# Altium PCB CPU-board-multi-rev.0.1.PcbDoc (part 3 of 3) (continued)
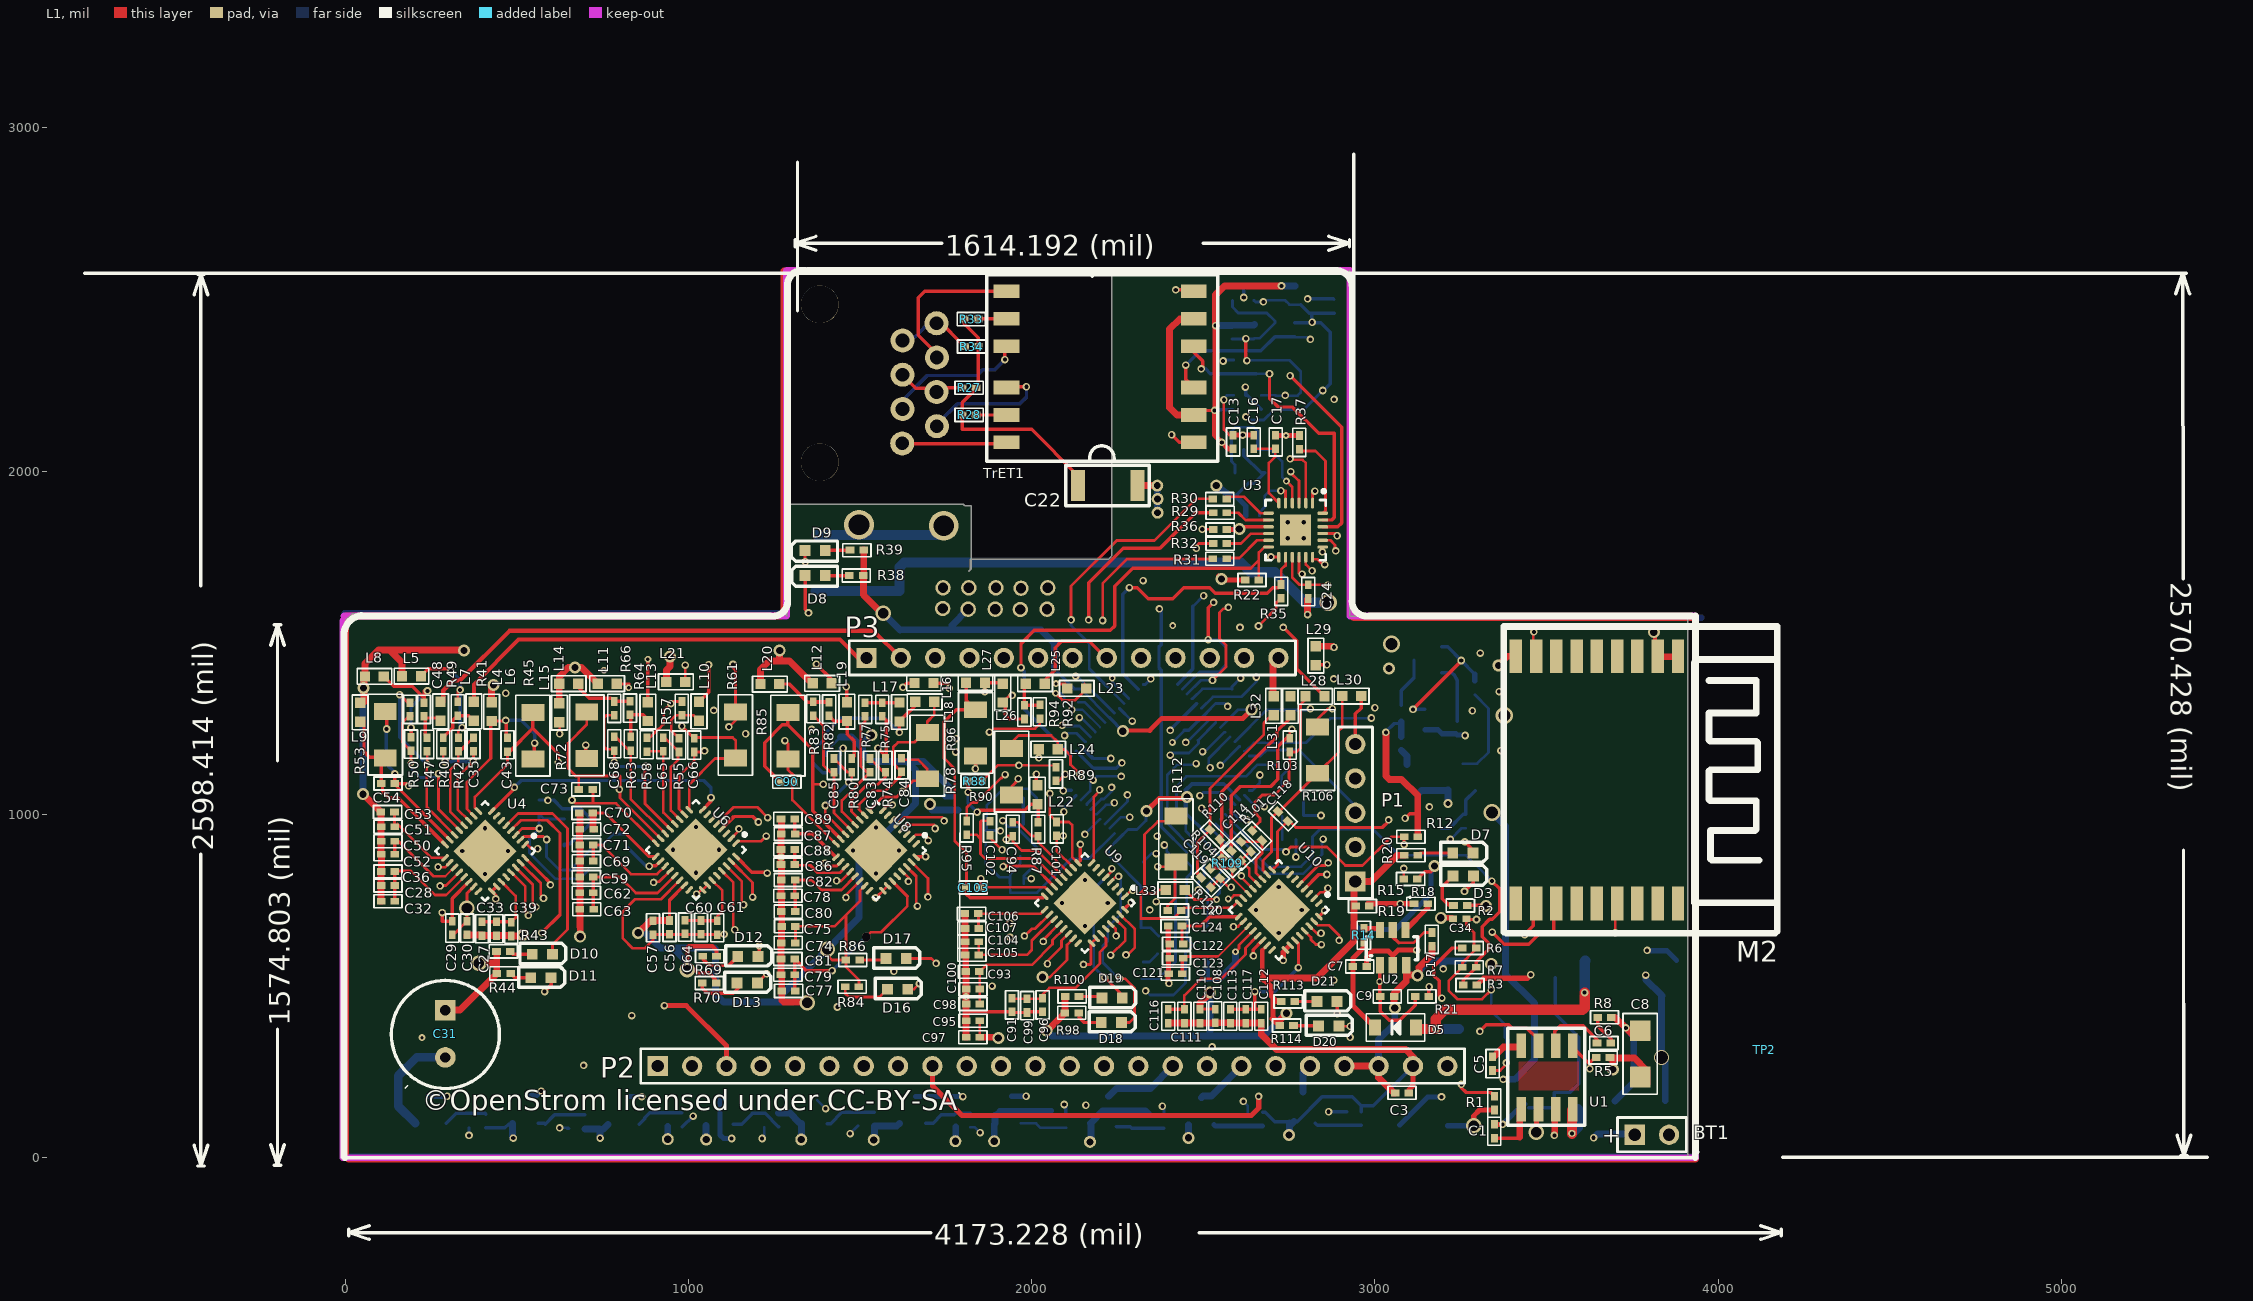
[diagram p0: L1 view]
## Nets (pads, with @x,y where several pads share a name; then routed paths per layer and width w, separated by ;. In a path a pad name is that pad's centre, name@x,y a point inside that pad or via, vN(x,y) a via of type N, cw(c..) or ccw(c..) an arc to the next point about the centre after c; other vN are vias at no path point) (continued)
  L3 w10: v1@2347,1393 2372,1418 2372,1556 2478,1662 2478,1735 2480,1737 v1(2480,1775)
  L5 w8: U5.64@2324.89,1378.9 2330.9,1378.9 v1(2347,1395)
NetR33_2: R33.2 TrET1.8 | length 83.4
  L1 w10: R33.2@1844,2443 1845,2444 TrET1.8@1927,2444
NetR35_2: R35.2 U3.14 U5.63 | length 893.2
  L1 w8: R35.2@2718,1661 R35.2@2727,1670 2727,1713 2739,1725 2740,1725 U3.14@2740,1749.2
  L1 w10: v1(2285,1661) 2308,1661 2340,1629 2411,1629 2443,1661 2519.15,1661 2535.15,1645 2687,1645 2703,1661 R35.2@2718,1661
  L5 w10: v1(2285,1661) 2266,1642 2266,1409.95 U5.63@2310.97,1364.98
NetR37_2: R37.2 U3.24 | length 238.9
  L1 w8: R37.2@2785,2059 2827,2059 2856,2030 2856,1885.52 U3.24@2847.95,1877.47
NetR48_1: R48.1 U5.59 | length 3318.7
  L3 w8: v1(361,65) 361,99 ; 472,210 476,210
  L3 w10: 361,99 472,210 ; v1(468,1353) 426,1311 426,1243.2 448.2,1221 448.2,840.8 476,813 476,210
  L4 w8: 835.44,1346.2 1088.8,1346.2 ; 2174,1334 2231,1334 v1(2293,1272)
  L4 w10: v1(468,1353) 474.8,1346.2 835.44,1346.2 ; 1088.8,1346.2 1111.8,1323.2 2090.2,1323.2 2101,1334 2174,1334
  L5 w8: v1(361,65) R48.1@361,87 ; U5.59@2255.29,1309.3 2292.6,1272 v1(2293,1272)
NetR54_1: R54.1 U5.58 | length 2985.8
  L3 w10: v1(625,87) 655,87 754,186 v4(754,1420)
  L4 w8: 771,1401 773,1401 2041,1401 2050,1410
  L4 w10: v4(754,1420) 773,1401 ; 2050,1410 2128,1410 v1@2130,1408
  L5 w8: v1(625,87) R54.1@650,87 ; R54.1@646.8,85 R54.1@652,85 ; v1@2130,1408 2130,1409 2134,1405 2134,1402 2240.61,1295.39 U5.58@2241.37,1295.39
  other v1: 2128,1403
NetR60_1: R60.1 U5.55 | length 2483.6
  L3 w10: v1(1014,121.4) 1014,163 963,214 963,336 996,369 996,447 943,500 943,588 996,641 996,1168 1011,1183 1011,1240 v1(1074,1303)
  L4 w10: v1(1074,1303) 1075.2,1301.8 v1@2115.89,1301.8
  L5 w6: v1(2117,1305) 2148.24,1305 U5.55@2199.61,1253.63
  L5 w10: R60.1@982.6,90 v1(1014,121.4) ; v1@2115.89,1301.8 v1@2116.09,1302
NetR65_1: R65.1 U5.54 | length 2384.7
  L3 w10: v1(1167,1235) 1176,1226 1176,1097 1053,974 1053,852 1126,779 1126,716 1163.68,678.32 1163.68,614.5 1163,613.81 1163,108 v1(1215,56)
  L4 w8: 1214,1282 2078.76,1282 2079.56,1282.8 2098.44,1282.8 2099.24,1282 v1(2139,1282)
  L4 w10: v1(1167,1235) 1214,1282
  L5 w8: v1@1221,62 R65.1@1221,89 ; v1(2139,1282) 2143.4,1282 U5.54@2185.7,1239.71
NetR67_2: R67.2 U5.42 | length 804.7
  L4 w8: v1(2155,942) 2182,942 2299,825 2532,825 2576,869 2720,869 2729,860 2754,860 v1(2770,876)
  L5 w8: v1@2156,942.76 U5.42@2199.61,986.37 ; v1(2770,876) R67.2@2770,927
NetR68_2: R68.2 U5.28 | length 508.7
  L5 w8: U5.28@2480.79,916.78 2480.79,919.58 2449,951.36 2449,973 2422,1000 2422,1082 2451,1111 2624,1111 2658,1145 R68.2@2715,1145
NetR73_1: R73.1 U5.53 | length 2234.4
  L3 w8: 1349,1237 1360,1248 v1(1359,1248)
  L3 w10: 1349,1237 1349,521 1323,521 1263,461 1263,215 1408,70 v1(1471,70)
  L4 w8: v1(1359,1248) 1375,1264 2047,1264 2058,1253 2084,1253 2089,1258 v1(2089,1260)
  L5 w8: v1(1471,70) 1494,93 R73.1@1495,93 ; v1(2089,1260) 2089,1258 2139.56,1258 U5.53@2171.78,1225.79
NetR79_1: R79.1 U5.52 | length 1689.4
  L3 w10: v1(1781,1221) 1758,1221 1741,1204 1741,1159 1775,1125 1775,1011 1792,994 1792,621 1760,589 1760,163 v1(1850,73)
  L4 w8: v1(1781,1221) 1790,1212 2076.47,1212 2096,1231.53 v1(2096,1230)
  L5 w8: R79.1@1821,89 1834,89 v1(1850,73) ; v1(2096,1230) 2096,1231.53 2101,1236.53 2130.39,1236.53 2155.06,1211.87 U5.52@2157.86,1211.87
NetR91_1: R91.1 U5.48 | length 1057.7
  L3 w10: v1(2092,1069) 2087,1069 2086.11,1069.89 2086.11,1045.11 2062.39,1021.39 2062.39,623 2079,606.39 2079,520 2119,480 2119,366 2062.39,309.39 2062.39,279.47 2063,278.86 2063,188 2095,156 v1(2095,155)
  L5 w10: v1(2092,1069) 2087,1069 2086.11,1069.89 U5.48@2116.1,1069.89 ; v1(2095,155) 2100,150 R91.1@2100,127
NetR97_1: R97.1 U5.47 | length 1300.5
  L3 w8: v1(2094,1008) 2092,1008 2090,1006 2165,1006 2184,987 2184,715 2188,711 2188,659 2121,592 2121,532 2158,495 v1(2158,153)
  L4 w8: v1(2158,153) 2378,153 v1(2381,150)
  L5 w8: v1(2094,1008) 2092,1008 2098.02,1014.02 2098.02,1023.98 U5.47@2130.02,1055.97 ; v1(2381,150) 2386,145 R97.1@2386,127
NetR102_1: R102.1 U5.21 | length 1012.7
  L3 w10: v1(2617,164) 2580,164 2561,183 2561,308 2622,369 2622,729 2642,749 2642,858 2622,878 2622,983 2626,987 v1(2626,984)
  L5 w8: U5.21@2578.22,1014.21 2609.22,983.22 2625.22,983.22 v1(2626,984) ; v1(2617,164) 2630,151 R102.1@2630,132
NetR107_1: R107.1 U5.18 | length 1134.7
  L3 w8: v1@2677,1023 v1(2678,1023)
  L3 w10: v1@2677,1023 2665,1011 2665,764 2676.2,752.8 2676.2,739.04 2684,731.24 2684,363 2762,285 2762,182 2810,134 v1(2865,134)
  L5 w8: U5.18@2619.98,1055.97 2651,1024.95 2676.05,1024.95 v1(2678,1023)
  L5 w10: v1(2865,134) R107.1@2918,134
NetU3_13: U3.13 U5.30 | length 1206.6
  L1 w8: v1(2697,1750) U3.13@2719.52,1750
  L4 w8: v1(2372,1599) 2374,1601 2374,1682 2389.2,1697.2 2421.96,1697.2 2474.76,1750 v1(2697,1750)
  L5 w8: 2377.67,964.21 U5.30@2452.95,888.94
  L5 w10: v1(2372,1599) 2377.67,1593.33 2377.67,1494.67 2371,1488 2371,1426.67 2377.67,1420 2377.67,964.21
NetU3_16: U3.16 U5.1 | length 697
  L1 w8: v1@2779,1702 U3.16@2779,1740.57 ; U3.16@2779.05,1749.52 2779.05,1708.95 v1(2788,1700)
  L4 w8: v1(2501,1637) 2519,1655 2747,1655 v1@2791,1699
  L5 w8: 2470,1606 v1(2501,1637)
  L5 w10: U5.1@2425.11,1378.9 2470,1423.79 2470,1606
NetU3_17: U3.17 U5.2 | length 777.6
  L1 w8: U3.17@2798.74,1749.52 2798.74,1728.26 v1(2817,1710)
  L1 w10: v1(2514,1509) 2514,1602 v1(2530,1618)
  L4 w8: v1(2530,1618) 2530,1622 2537,1629 2766,1629 2817,1680 v1(2817,1710)
  L5 w8: U5.2@2439.03,1364.98 2488.72,1414.67 2536.12,1414.67 2536.45,1415 2546,1415 2567,1436 2567,1486 2544,1509 v1(2514,1509)
NetU3_18: U3.18 U5.3 | length 757.3
  L1 w8: v1(2527,1391) 2566,1430 2566,1494 2547.21,1512.79 2547.21,1588.21 2558,1599 2569,1599 v1(2573,1603) ; U3.18@2818.42,1743.58 2832.42,1743.58 2851,1725 v1(2854,1728)
  L4 w8: v1(2573,1603) 2791,1603 2836,1648 2836,1691 2854,1709 v1(2854,1728)
  L5 w8: U5.3@2452.95,1351.06 2492.89,1391 v1(2527,1391)
NetU4_1: U4.1 U6.2 | length 719.9
  L1 w8: U4.1@524.92,912.49 530.51,912.49 543,900 v1(561,900) ; U6.2@1125,930.41 1148,953.4 1148,958 v1(1147,958)
  L4 w8: v1(561,900) 768,900 795.79,872.21 857.21,872.21 919,934 1073,934 1106,967 1138,967 v1(1147,958)
NetU4_8: U4.8 U5.45 U6.8 U8.8 U9.8 | length 2268.4
  L1 w8: U8.8@1566.49,1011.92 1581.56,1027 ; U9.8@2174.49,858.92 2181,865.44 2181,1051 2198,1068 v1(2198,1072)
  L1 w10: U4.8@427.49,1009.92 493,1075.44 v1(493,1079) ; U6.8@1041.49,1013.92 1066,1038.44 v1(1066,1049) ; v1@1584,1027 1593,1027 v1(1594,1028)
  L4 w8: v1@1587,1027 1595,1035 1651,1035 1675.3,1059.3 1766.7,1059.3 1791,1035 2165,1035 2197,1067 2197,1071 v1(2198,1072)
  L4 w10: v1(1066,1049) 1192.25,1049 1203.25,1060 1433.75,1060 1444.75,1049 1571,1049 1587,1033 v1@1587,1027
  L5 w8: U5.45@2160.66,1028.13 U5.45@2161.92,1029.39 ; U5.45@2160.66,1030.66 2198,1068 v1(2198,1072)
  L5 w10: v1(493,1079) 513,1099 1045,1099 1066,1078 v1(1066,1049)
NetU4_29: U4.29 U5.8 | length 2445.1
  L1 w8: U4.29@483.16,831.75 525,789.92 525,715 v1(534,706)
  L4 w8: v1(534,706) 548,692 1160,692 1182,670 1924,670 v1(1937,683)
  L2 w8: v1(1937,683) 1970.5,716.5 1970.5,720.5 2137,887 2165,887 2229,951 2229,989 2264.5,1024.5 2292.5,1024.5 2431,1163 2431,1192 v1(2449,1210)
  L5 w8: v1(2449,1210) 2451.08,1210 U5.8@2522.55,1281.47
NetU4_30: U4.30 U5.4 U6.30 U8.30 U9.30 U10.30 | length 4316.8
  L1 w8: U4.30@497.08,845.67 546.8,795.96 546.8,740.2 v14(557,730) ; U6.30@1111.08,849.67 1155.76,805 v1@1155.76,737.93 ; U8.30@1636.08,847.67 1663.88,819.88 1663.88,738.12 v1@1664,738 ; v1(2230,590) 2273,633 2273,665.76 U9.30@2244.08,694.67 ; U10.30@2809.08,674.92 v1@2834,650
  L3 w8: v1@2611.5,1392.5 2693,1311 2693,1070 2722,1041 2722,931 2693,902 2693,746 2789,650 v1@2834,650
  L4 w8: v14(557,730) 571,716 1136,716 1156,736 1191,701 1623,701 1654,732 1967,732 2109,590 v1(2230,590) 2230,569 2254,545 2306,545 2398.7,452.3 2791.3,452.3 2833,494 2857,494 v1(2880,517)
  L2 w8: v1@2834,650 2810,625 2810,574 2861,523 2874,523 v1(2880,517)
  L5 w8: U5.4@2466.87,1337.14 2469.14,1337.14 2498,1366 2584,1366 ; 2584,1365 2584,1366 ; v1(2609,1397) 2584,1372 2584,1366
  other v1: 2843,654 1667,733 1161,737
NetU4_31: U4.31 U5.6 U6.31 U8.31 U9.31 U10.31 | length 4425
  L1 w8: U4.31@511,859.59 511,859 570,800 570,764 v1(578,756) ; U6.31@1125,863.59 1187,801.6 v1(1187,759) ; U8.31@1650,861.59 1697.8,813.8 1697.8,760.2 v1(1698,760) ; U9.31@2258,708.59 2299.22,667.38 2300.62,667.38 2300.62,612.62 2279,591 v1(2275,591) ; U10.31@2823,688.59 2834.6,677 2867,677 2896,648 v1(2896,633)
  L3 w8: v1(2880,1395) 2841,1356 2841,1252 2820,1231 2820,793 2896,717 v1(2896,633)
  L4 w8: v1(578,756) 594,740 1099,740 1125,766 1180,766 v1(1187,759) 1289,759 1320,728 1604,728 1635,759 v1@1698,759 ; v1(1698,760) 2012,760 2158,614 2249,614 2272,591 v1(2275,591) 2302,564 2318,564 2351.2,530.8 2478.2,530.8 2488,521 2496.17,521 2496.97,521.8 2515.03,521.8 2515.83,521 2819,521 2896,598 v1(2896,633) ; v1(2655,1400) 2661,1400 2669,1408 2795,1408 2808,1395 v1(2880,1395)
  L5 w8: U5.6@2494.71,1309.3 2528,1342.6 2610.6,1342.6 2655,1387 v1(2655,1400)
NetU4_32: U4.32 U5.5 U6.32 U8.32 U9.32 U10.32 | length 3462.4
  L1 w8: U4.32@524.92,873.51 586,812.44
  L1 w10: 586,812.44 586,812 598,800 v1(598,795) ; U6.32@1138.92,877.51 1184.44,832 1227,832 v1(1230,829) ; U8.32@1663.92,875.51 1665.41,877 v1(1691,877) ; U9.32@2271.92,725.92 v1(2290,744) ; U10.32@2836.92,702.51 2854,719.59 v1(2854,720)
  L3 w10: v1(2363,746) 2360,746 2336,770 2336,952 2375,991 2375,1216 v1(2404,1245)
  L4 w8: v1(598,795) 853,795 872,776 971,776 990,795 1196,795 v1(1230,829) 1251,850 1342,850 1379,887 1441,887 1464,864 1678,864 v1(1691,877) ; 2338,766 2356,748 2361,748 v1(2363,746) ; 2649,752.87 2649,755
  L4 w10: v1(1691,877) 1853,877 1912,818 1954,818 2013,877 2137,877 2270,744 v1(2290,744) 2313,744 2337,768 2435,768 2473.8,729.2 2625.33,729.2 2649,752.87 ; 2649,755 2819,755 v1(2854,720)
  L5 w10: v1(2404,1245) 2404,1246.44 U5.5@2480.79,1323.22
NetU5_11: U5.11 U6.29 | length 1966.2
  L1 w8: U6.29@1097.16,835.75 1131,801.92 1131,668 v1(1135,664)
  L4 w8: v1(1135,664) 1137.87,664 1159.87,642 1451,642 1477,616 1911,616 v1(1937,642)
  L2 w8: v1(1937,642) 2157,862 2204,862 2314.5,972.5 2357.5,972.5 2394,1009 2394,1099 2470,1175 2495,1175 2498,1178 v1(2498,1183)
  L5 w8: v1(2498,1183) 2498,1178 2495,1175 2496.8,1175 2561.5,1239.71 U5.11@2564.31,1239.71
NetU5_12: U5.12 U8.29 | length 1470.1
  L1 w8: U8.29@1623.25,833.75 1641,816 v1(1641,805)
  L3 w8: v1(2366,937) 2379,950 2405,950 2405,1065 2461,1121 2505,1121 v1@2519.5,1135.5
  L4 w8: v1(1641,805) 1676,805 1712,841 1860,841 1914,787 2128,787 2207,708 2330,708 v1(2344,722)
  L2 w8: v1(2344,722) 2344,724 2333,735 2333,904 v1(2366,937)
  L5 w8: v1(2520,1136) 2522,1138 2516,1144 2516,1163.56 U5.12@2578.22,1225.79
NetU5_13: U5.13 U10.29 | length 1083.3
  L1 w8: U10.29@2795.16,660.75 2814,641.92 2814,635 2828,621 v1(2844,621)
  L3 w8: v1(2812,1308) 2805,1308 2802,1305 2802,758 2818,742 2818,712 2834,696 ; 2835.25,694.75 2834,696 ; v1(2844,621) 2858,621 2868.5,631.5 2868.5,677.5 2850,696 2834,696
  L5 w8: U5.13@2592.14,1211.87 2684.28,1304 2803,1304 2802,1305 2805,1308 v1(2812,1308)
NetU5_14: U5.14 U9.29 | length 793.5
  L1 w8: U9.29@2230.16,680.75 2245,665.92 2245,647 v1(2246,646)
  L2 w8: v1@2246,640.16 2272.16,640.16 2319.89,687.89 2369.89,687.89 2448.22,766.22 2448.22,797 2550,898.78 v1(2550,1143)
  L5 w8: v1(2550,1143) 2604.95,1197.95 U5.14@2606.06,1197.95
NetU5_17: M2.8 U5.17 | length 1417.8
  L1 w8: M2.8@3461.67,1455.47 v1@3461.67,1531.33
  L3 w10: v1(3159,1022) 3175,1038 3175,1418 3237,1480 3297,1480 v1(3307,1470)
  L4 w8: v1(2665,1115) 2702,1078 2876,1078 2896,1058 3123,1058 v1(3159,1022)
  L4 w10: v1(3307,1470) 3369,1532 v1(3463,1532)
  L5 w8: U5.17@2633.9,1069.89 2642.89,1069.89 2664.5,1091.5 2664.5,1114.5 v1(2665,1115)
NetU5_18: 
NetU5_21: 
NetU5_27: U5.27 U7.1 | length 308.9
  L5 w8: U5.27@2494.71,930.7 2560,865.4 2560,841 2513,794 2513,677.48 U7.1@2506.52,671
NetU5_47: 
NetU6_1: U6.1 U8.2 | length 660.8
  L1 w8: U6.1@1138.92,916.49 1144.44,922 1211.96,922 v1(1226.98,937.02) ; U8.2@1650,928.41 1662.6,941 1689,941 1699,931 v1(1699,924)
  L4 w8: v1(1226.98,937.02) 1230.96,941 1492,941 1509,924 1597,924 1614,941 1689,941 1699,931 v1(1699,924)
NetU8_1: U8.1
NetU9_1: U9.1 U10.2 | length 702.5
  L1 w8: U9.1@2271.92,761.49 2289.44,779 v1(2295,779) ; U10.2@2823,755.41 2841.3,773.7 2851.7,773.7 v1(2863,785)
  L4 w8: v1@2294,780 2316.8,802.8 2551.8,802.8 2593,844 2692,844 2717,819 2765,819 2786,798 2850,798 v1(2863,785)
NetU9_2: U9.2
U4Formalnet: 
U6F0rmlNet: 
U8FormlNet: 
U9FormlNet: 
U10FormlNet: 
VCC=3.3V: C13.1 C15.1 C23.1 C29.1 C30.1 C31.1 C34.1 C37.1 C38.2 C40.1 C41.1 C44.1 C45.1 C56.1 C57.2 C74.1 C75.1 C95.1 C97.1 C108.1 C110.1 L3.1 M2.1 M2.2 P1.1 pad.0@1815,1598 R19.1 R20.1 R22.2 R36.2 R38.2 R39.2 R43.2 R44.2 R59.2 R69.1 R70.1 R84.2 R86.2 R98.2 R100.2 R113.2 R114.2 TrET1.2 TrET1.5 U3.9 U4.23 U5.10 U5.19 U5.26 U5.38 U5.57 U6.23 U7.8 U8.23 U9.23 U10.23 | length 15636
  L1 w8: C29.1@312,649 315,649 C30.1@355,689 v5(355,727) 355,770.4 U4.23@374.59,790 ; C57.2@889,690 C57.2@897,690 ; C74.1@1312,627 C75.1@1312,674 1426,674 1459,707 ; v5(1405.22,607.7) 1405.22,589.78 1419,576 R86.2@1459,576 ; R84.2@1497,498 1497,518 1459,556 R86.2@1459,576 ; U8.23@1513.59,792 1500,778.4 1500,748 1459,707 ; C97.1@1849,351 C95.1@1849,399 ; v2(2032,526) 2053,526 2102.8,575.8 2102.8,620.2 U9.23@2121.59,639 ; v2(2044,370) v2@2044.5,369.5 ; R100.2@2097,469 R100.2@2098,470 ; TrET1.2@2472,2164 2485,2177 v1(2533,2177) ; C110.1@2491,432 2492,433 C108.1@2535,433 ; v2@2520,479 v2(2520,482) ; 2674.52,1838.1 U3.9@2690.47,1838.1 ; 2714,455 R113.2@2727,455 ; M2.2@3816,1455.47 3824.03,1455.6 M2.2@3824.03,1458.6 ; M2.1@3875.04,1459.41 M2.1@3879.06,1456.47 ; R86.2@1459,576 1459,707
  L1 w10: 440,567 441,568 R43.2@441,601 ; C56.1@945,691 945,750 U6.23@988.59,793.59 ; v11@1017,549 1027,539 1059,539 1079,519 ; v2@2593,1830 2613,1830 2621.1,1838.1 2674.52,1838.1 ; 2672,604.4 U10.23@2686.59,619 ; R19.1@2939,728 R19.1@2944,733
  L1 w12: v11(997,548) 997,612 ; 1001,616 1070,616 1082,604 R69.1@1082,587 ; R38.2@1510,1697 R38.2@1511,1698 ; v8@2266,1245 2344,1245 ; v1@2532.7,2177.3 v1@2532.7,2420.7 ; 2672,524 2672,604.4 ; v8(3813,1531) 3816,1528 M2.2@3816,1455.47
  L1 w15: v5@1564,1586 v5(1568,1586) ; v2(2335,1010) 2371,1046 v2@2448,1046 ; 2344,1245 2379,1280 2616,1280 v2(2641,1305) ; v1@2532.7,2177.3 v1(2533,2177) 2533,2105 v1(2554,2084) 2573,2065 C13.1@2587,2065 ; v1@2532.7,2420.7 v1(2536,2424) ; v2@2545,1694 v2(2553,1686) 2556,1683 R22.2@2622,1683 ; R36.2@2569,1830 v2@2593,1830 ; 2677,519 2697,499 2697,472 2703,466 ; 2703,405 2703,466 ; 2714,455 2703,466 ; v2(3192,699) 3224.32,699 C34.1@3227.32,696
  L1 w20: C31.1@292,430 335,430 R44.2@442,537 R43.2@442,600 ; v5(389,567) 440,567 ; v8(854,655) C57.2@889,690 ; C57.2@898,691 C56.1@945,691 ; R38.2@1510,1697 1510,1640 v5@1564,1586 ; R38.2@1511,1698 R39.2@1511,1770 ; C97.1@1849,351 1901,351 v2(1903,349) ; v2@2044.5,369.5 R98.2@2097,422 R100.2@2097,469 ; TrET1.2@2472,2164 2423,2164 2402,2185 2402,2414 2432,2444 TrET1.5@2472,2444 ; C110.1@2491,432 2491,450 v2@2520,479 ; v1(2536,2424) 2536,2514 2562,2540 v1(2728,2540) ; 2677,519 2682,524 2832,524 2939,631 R19.1@2939,728 ; 2703,405 R114.2@2723,385 2723,401 v2(2742.86,420.86) ; R19.1@2939,733 P1.1@2939,801 ; P1.1@2943,805 2988,805 3064,881 R20.1@3085,881 ; M2.2@3824.03,1458.6 M2.1@3875.04,1459.41
  L3 w15: v2(1533,1231) 1533,1291 1568,1326 v5(1568,1586) ; v8@2266.5,1243.5 2317,1193 2317,1028 v2(2335,1010)
  L3 w20: v2(1903,349) 2034,349 v2@2044,359 ; v12(3041,1425) 3066,1425 3159,1518 3353,1518 3374,1497 3575,1497 3609,1531 v8(3813,1531)
  L4 w20: v5(355,727) 486,596 744,596 792,548 v11(997,548)
  L2 w8: v2@2042,527 2166.6,527 2204.6,565 2283.8,565 2313,594.2 2313,628 2327.11,642.11 2366.11,642.11 v9(2370,646)
  L2 w10: 3001,1120 3001,1253.78 3017.52,1270.3 ; 3018.3,1270.3 3036.3,1288.3
  L2 w15: v1@2554.5,2084.5 2593,2046 2593,1830 2589,1830 2545,1786 2545,1694 2554,1694 2671,1577 2752,1577 2782,1547 2873,1547 2995,1425 v12@3035.6,1425 ; P1.1@2943,805 2978,770 3104,770 3112,778 ; 3001,1120 3126,995 3126,890 3127,889 3127,793 3112,778 ; 3036.3,1288.3 v12@3036.3,1424.3 ; v2(3192,699) 3192,747 3161,778 3112,778
  L2 w20: v5(355,727) 379,727 389,717 v5(389,567) ; v2(1903,349) 1903,380 2028,505
  L5 w8: R59.2@1400,1171 1400,1183 C45.1@1443,1226 ; 2143.46,1365.46 U5.57@2227.45,1281.47 ; v8@2265.92,1243 v8(2266,1243) ; v2(2335,1010) 2333,1008 2333,982 2307,956 2280.6,956 U5.38@2255.29,930.69 2225,900.4 2225,881 2242.2,863.8 2246.03,863.8 2319,790.83 2319,670 U7.8@2325,670 2346,670 v9(2370,646) ; 2505,355 2520,370 ; U5.26@2508.39,944.61 U5.26@2508.63,944.61 ; v2@2520,479 v2(2520,482) ; U5.10@2550.39,1253.63 2601.76,1305 v2(2641,1305)
  L5 w10: 1076,611 1079,608 ; 2067,1423 2124.54,1365.46 2143.46,1365.46 ; U5.57@2227.45,1281.47 v8@2265.92,1243 ; 2449,1004 U5.26@2508.39,944.61 ; v1@2533,2179 C44.1@2586,2179 ; 2559.11,1089 U5.19@2606.06,1042.05 ; C38.2@2936,725 2936,798 P1.1@2943,805
  L5 w12: 2449,1004 v2@2449,1051 ; 2449,1071 2467,1089 2559.11,1089
  L5 w15: 1616.5,1537.5 1617,1538
  L5 w20: v8(854,655) 875,655 919,611 955,611 ; v11@997,569 955,611 ; 1076,611 955,611 ; 1079,608 1079,477 1102,454 C41.1@1271,454 1271,473.48 v5(1405.22,607.7) ; v5@1404.96,607.96 1497,700 1497,867 1662,1032 1662,1130 1637.5,1154.5 ; C45.1@1443,1226 1475,1226 1507.5,1193.5 1507.5,1178.5 1531.5,1154.5 1637.5,1154.5 ; 1507.5,1204.5 1507.5,1208.5 v2@1531.5,1232.5 ; v5(1568,1586) 1616.5,1537.5 ; 1617,1538 1768,1538 ; C40.1@1749,1053 1767,1053 1767,1072 1684.5,1154.5 1637.5,1154.5 ; pad.0@1815,1598 1768,1551 1768,1538 ; v2(2044,370) 2059,355 2505,355 2677,355 v2(2742.86,420.86) ; 2067,1423 2067,1498 2027,1538 1768,1538 ; 2520,370 v2@2520,479 ; v1(2536,2424) 2583,2424 C15.1@2584,2425 2647,2425 C23.1@2649,2427 ; v1(2728,2540) L3.1@2768,2540
  other v2: 2453,1051 2605,1832
VCC=5V: C3.1 C8.1 C9.1 L1.2 P2.21 P2.22 R2.1 R5.1 R17.2 U2.3 | length 1982.6
  L1 w10: R2.1@3269,735 3324,735 v2(3324,734) ; R5.1@3683,290 R5.1@3685,292
  L1 w20: P2.21@2911,267 P2.22@3011,267 3011,233 3055,189 C3.1@3059,189 ; v2@3056,452 C9.1@3056,470 3056,478 3091.37,513.37 3091.37,532 ; U2.3@3091.37,561 3091.37,532 ; v2(3124,531) 3121,531 3118,534 3116,532 3091.37,532 ; v2@3128.68,544.69 3128.68,554.69 3166,592 R17.2@3166,616 ; R5.1@3683,290 R5.1@3693,290 ; v2(3693,257) R5.1@3693,290 ; C8.1@3793,216 3793,253 3756,290 R5.1@3693,290
  L3 w10: v1@3199,548 v1(3199,550)
  L3 w20: v1@3199,548 3228,519 3385,519 ; v2(3339,565) 3385,519 ; v2(3693,257) 3609,341 3563,341 3385,519
  L2 w20: v2(3324,734) 3354,734 3374,714 3374,589 3350,565 v2(3339,565)
  L5 w10: v1@3198,551 v1(3199,550)
  L5 w20: P2.22@3011,267 3011,344 3058,391 v2@3058,434 ; v2(3124,531) 3121,531 3118,534 3156.98,572.98 3198,572.98 ; v1@3198,551 3198,572.98 ; L1.2@3258,572.98 3198,572.98
  other v2: 3058,436
VDD=3.3V: 
pads on no net: D6.NC J1.A J1.B M2.3 M2.4 M2.5 M2.6 M2.7 M2.10 M2.13 M2.14 M2.16 M2.17 M2.18 R16.2 U1.4@3497.38,235.69 U1.10 U1.11 U1.12 U1.13 U1.14 U1.15 U1.16 U1.17 U4.6 U4.7 U4.24 U4.28 U5.34 U5.35 U5.36 U5.37 U5.62 U6.3 U6.6 U6.7 U6.24 U6.28 U7.7 U8.3 U8.6 U8.7 U8.24 U8.28 U9.3 U9.6 U9.7 U9.24 U9.28 U10.1 U10.3 U10.6 U10.7 U10.8 U10.24 U10.28
copper on no net: | length 61953
  L1 w20: 3933.5,-4 10,-4 3,3 1,5 1,1576 3,1578 1268,1578 1279,1589 1279,2584 2929,2584 2929,1583 2939,1573 3932,1573 3934,1571
  L3 w20: 8,1578 8,15 -4,3 3940,3 3940,1573 2934,1573 2934,2572 2932,2574 2918,2588 1291,2588 1277,2574 1277,1591 1268,1582 13,1582
  L4 w20: 9,1578 5,1574 5,0 3940,0 ; 18,1578 1258,1578 1291,1611 1291,2584 1295,2588 2917,2588 2932,2573 2932,1582 ; 2933,1573 3947,1573 3937,3
  L2 w20: 3934,6 3934,1570 2939,1570 2927,1582 2927,2583 2926,2584 1287,2584 1277,2574 1277,1587 -4,1587 -4,29 -4,1 3939,1
  L5 w20: 3933.5,3 1,3 -1,5 -1,1586 1273,1586 1282,1595 1282,2580 1286,2584 2927,2584 2934,2577 2934,1580 2941,1573 3950,1573

## Polygon pours and split planes (outlines as drawn)
GND on L1 "Top Layer-No Net" (solid, pour order 9): 3420.16,279 3593.84,279 3593.84,195.01 3595,194 3592.68,196.02 3419,196.02 3419,277.99
GND on CommonGND (split plane): 2906.9,1578 2907.29,1574.08 2908.43,1570.31 2910.29,1566.83 2912.79,1563.79 2915.83,1561.29 2919.31,1559.43 2923.08,1558.29 2927,1557.9 3890.9,1557.9 3890.9,23.1 23.1,23.1 23.1,1558.88 24.21,1559.79 28.32,1563.9 1271.68,1563.9 1271.79,1563.79 1274.83,1561.29 1278.31,1559.43 1282.08,1558.29 1286,1557.9 1289.92,1558.29 1293.69,1559.43 1297.17,1561.29 1300.21,1563.79 1302.71,1566.83 1304.57,1570.31 1305.71,1574.08 1306.1,1578 1306.1,1883.9 1792.87,1883.9 1794.83,1882.29 1798.31,1880.43 1802.08,1879.29 1803.9,1879.11 1803.9,1753.44 1802.43,1750.69 1801.29,1746.92 1800.9,1743 1800.9,1720.72 1799.98,1719.6 1798.12,1716.12 1796.98,1712.35 1796.59,1708.43 1796.98,1704.51 1798.12,1700.74 1799.98,1697.27 1802.48,1694.22 1805.53,1691.72 1809,1689.87 1812.77,1688.72 1816.69,1688.34 1820.61,1688.72 1824.38,1689.87 1827.86,1691.72 1830.9,1694.22 1838.21,1701.53 1840.71,1704.58 1842.57,1708.05 1843.71,1711.82 1844.1,1715.74 1844.1,1722.9 2223,1722.9 2226.92,1723.29 2230.69,1724.43 2234.17,1726.29 2237.21,1728.79 2245.21,1736.79 2247.21,1738.79 2249.71,1741.83 2251.57,1745.31 2252.71,1749.08 2253.1,1753 2253.1,2558.9 2906.9,2558.9

## Keep-outs
Keep-Out Layer:
  lines w19.68: -6,0 -6,1565 ; -3,1578 1286,1578 1286,2585 2927,2585 2927,1578 3934,1578 ; 0,0 3934,0
  lines w20: 3934,0 3934,1578
  text "String" at 2859,3640 h60

## Silkscreen, mask and mechanical layers (free items; w line width, h text height)
Top Overlay:
  lines w5: 175.12,203 182,209.88 ; 1788,189 1790,187 ; 1791,384 1791,947
  lines w10: -758.57,2576.43 5353.27,2576.43 ; -440,35.85 -420,-24.15 ; -440,2514.27 -420,2574.27 ; -430,-24.15 -410,-24.15 ; -430,2574.27 -410,2574.27 ; -420,884.18 -420,-24.15 ; -420,1665.94 -420,2574.27 ; -400,35.85 -420,-24.15 ; -400,2514.27 -420,2574.27 ; -216.85,38 -196.85,-22 ; -216.85,1492.8 -196.85,1552.8 ; -206.85,-22 -186.85,-22 ; -206.85,1552.8 -186.85,1552.8 ; -196.85,374.52 -196.85,-22 ; -196.85,1156.28 -196.85,1552.8 ; -176.85,38 -196.85,-22 ; -176.85,1492.8 -196.85,1552.8 ; 0,0 3933.5,0 ; 10.32,-228.02 10.32,-208.02 ; 70.32,-238.02 10.32,-218.02 ; 70.32,-198.02 10.32,-218.02 ; 1311.85,2653.99 1311.85,2673.99 ; 1317.96,2467.96 1317.96,2900 ; 1371.85,2643.99 1311.85,2663.99 ; 1371.85,2683.99 1311.85,2663.99 ; 1706.05,-218.01 10.32,-218.02 ; 1738.06,2663.99 1311.85,2663.99 ; 2487.81,-218.01 4183.55,-218 ; 2499.82,2663.99 2926.04,2663.99 ; 2866.04,2643.99 2926.04,2663.99 ; 2866.04,2683.99 2926.04,2663.99 ; 2926.04,2653.99 2926.04,2673.99 ; 2938,1591 2938,2923 ; 3102,758 3103,759 ; 4123.55,-238 4183.55,-218 ; 4123.55,-198 4183.55,-218 ; 4183.55,-228 4183.55,-208 ; 4188,1 5425,1 ; 5333.35,2516.4 5353.27,2576.43 ; 5336.91,65.97 5357,6 ; 5343.27,2576.41 5363.27,2576.44 ; 5347,5.99 5367,6.01 ; 5354.56,1687.09 5353.27,2576.43 ; 5355.71,895.34 5357,6 ; 5373.35,2516.45 5353.27,2576.43 ; 5376.91,66.03 5357,6
  lines w19.68: -3,1529 -3,3 0,0 ; 46,1578 1239,1578 ; 1289,1628 1289,2531 ; 1348,2585 2879,2585 ; 2934,1625 2934,2537 ; 2990,1578 3922,1578 ; 3933.5,0 3933.5,1272.28
  lines w20: -3,1529 cw(c52.23,1523.84) 47.01,1579.07 ; 1239,1578 ccw(c1246,1621) 1289,1628 ; 1289,2535 cw(c1332.66,2541.34) 1339,2585 ; 2884.03,2584.64 cw(c2886.17,2536.77) 2934,2534 ; 2934,1628 ccw(c2977,1621) 2984,1578 ; 3933.5,1578 3933.5,19.5 3936,17
  text "1614.192 (mil)" at 1748.06,2628 h60
  text "2570.428 (mil)" at 5318.58,1677.04 h60 r270.08
  text "2598.414 (mil)" at -384.01,894.18 h60 r90
  text "1574.803 (mil)" at -160.86,384.52 h60 r90
  text "©OpenStrom licensed under CC-BY-SA" at 225,118 h100
  text "4173.228 (mil)" at 1716.05,-254 h60
Bottom Overlay:
  lines w10: -348,30.84 -328,-29.16 ; -348,2509.28 -328,2569.28 ; -338,-29.16 -318,-29.16 ; -338,2569.28 -318,2569.28 ; -328,874.18 -328,-29.16 ; -328,1665.94 -328,2569.28 ; -308,30.84 -328,-29.16 ; -308,2509.28 -328,2569.28 ; -200.99,39.54 -180.99,-20.46 ; -200.99,1494.34 -180.99,1554.34 ; -193,1583 -180,1570 -3,1570 ; -190.99,-20.46 -170.99,-20.46 ; -190.99,1554.34 -170.99,1554.34 ; -180.99,376.06 -180.99,-20.46 ; -180.99,1157.82 -180.99,1554.34 ; -160.99,39.54 -180.99,-20.46 ; -160.99,1494.34 -180.99,1554.34 ; 0.02,-195 -0.02,-175 ; 59.96,-164.89 0,-185 ; 60.04,-204.88 0,-185 ; 1279,1594 1279,3190 ; 1293.29,3000 1293.29,3020 ; 1313.28,2569.28 -328,2569.28 ; 1353.29,2990 1293.29,3010 ; 1353.29,3030 1293.29,3010 ; 1695.74,-181.75 0,-185 ; 1719.5,3010 1293.29,3010 ; 2477.49,-180.25 4173.23,-177 ; 2481.27,3010 2907.48,3010 ; 2847.48,2990 2907.48,3010 ; 2847.48,3030 2907.48,3010 ; 2907.48,3000 2907.48,3020 ; 2924,2673 2924,1594 2940,1578 ; 2932,1578 2932,3124 ; 4113.19,-157.12 4173.23,-177 ; 4113.27,-197.11 4173.23,-177 ; 4173.21,-167 4173.25,-187
  lines w19.68: -3,-6 -3,1570 5,1578 1267,1578 1296,1607 1296,2585 2936,2585 ; 5,-2 3932,-2 ; 2932,1578 3932,1578
  lines w20: 3934,-2 3934,1578
  text "1614.192 (mil)" at 1729.5,2974.01 h60
  text "2598.438 (mil)" at -292.01,884.18 h60 r90
  text "1574.803 (mil)" at -145,386.06 h60 r90
  text "4173.236 (mil)" at 1705.81,-217.72 h60 r0.11
Mechanical 1:
  lines w10: 3,9 -2,4 4180,4 4187,-3 ; 1223,2070 1230,2077
Mechanical 15:
  lines w11.81: 1911,2536 1905,2530 1905,1844 1909,1840 2444,1840 2452,1832 2452,2533 2449,2536 1931,2536

## Text inside footprints (layer, text, board x,y; h text height)
BT1: Top Overlay "+" at 3662.51,44.28 h45.28